# Altium PCB SEC_3002_DZ&HL.PcbDoc (part 7 of 7) (continued)
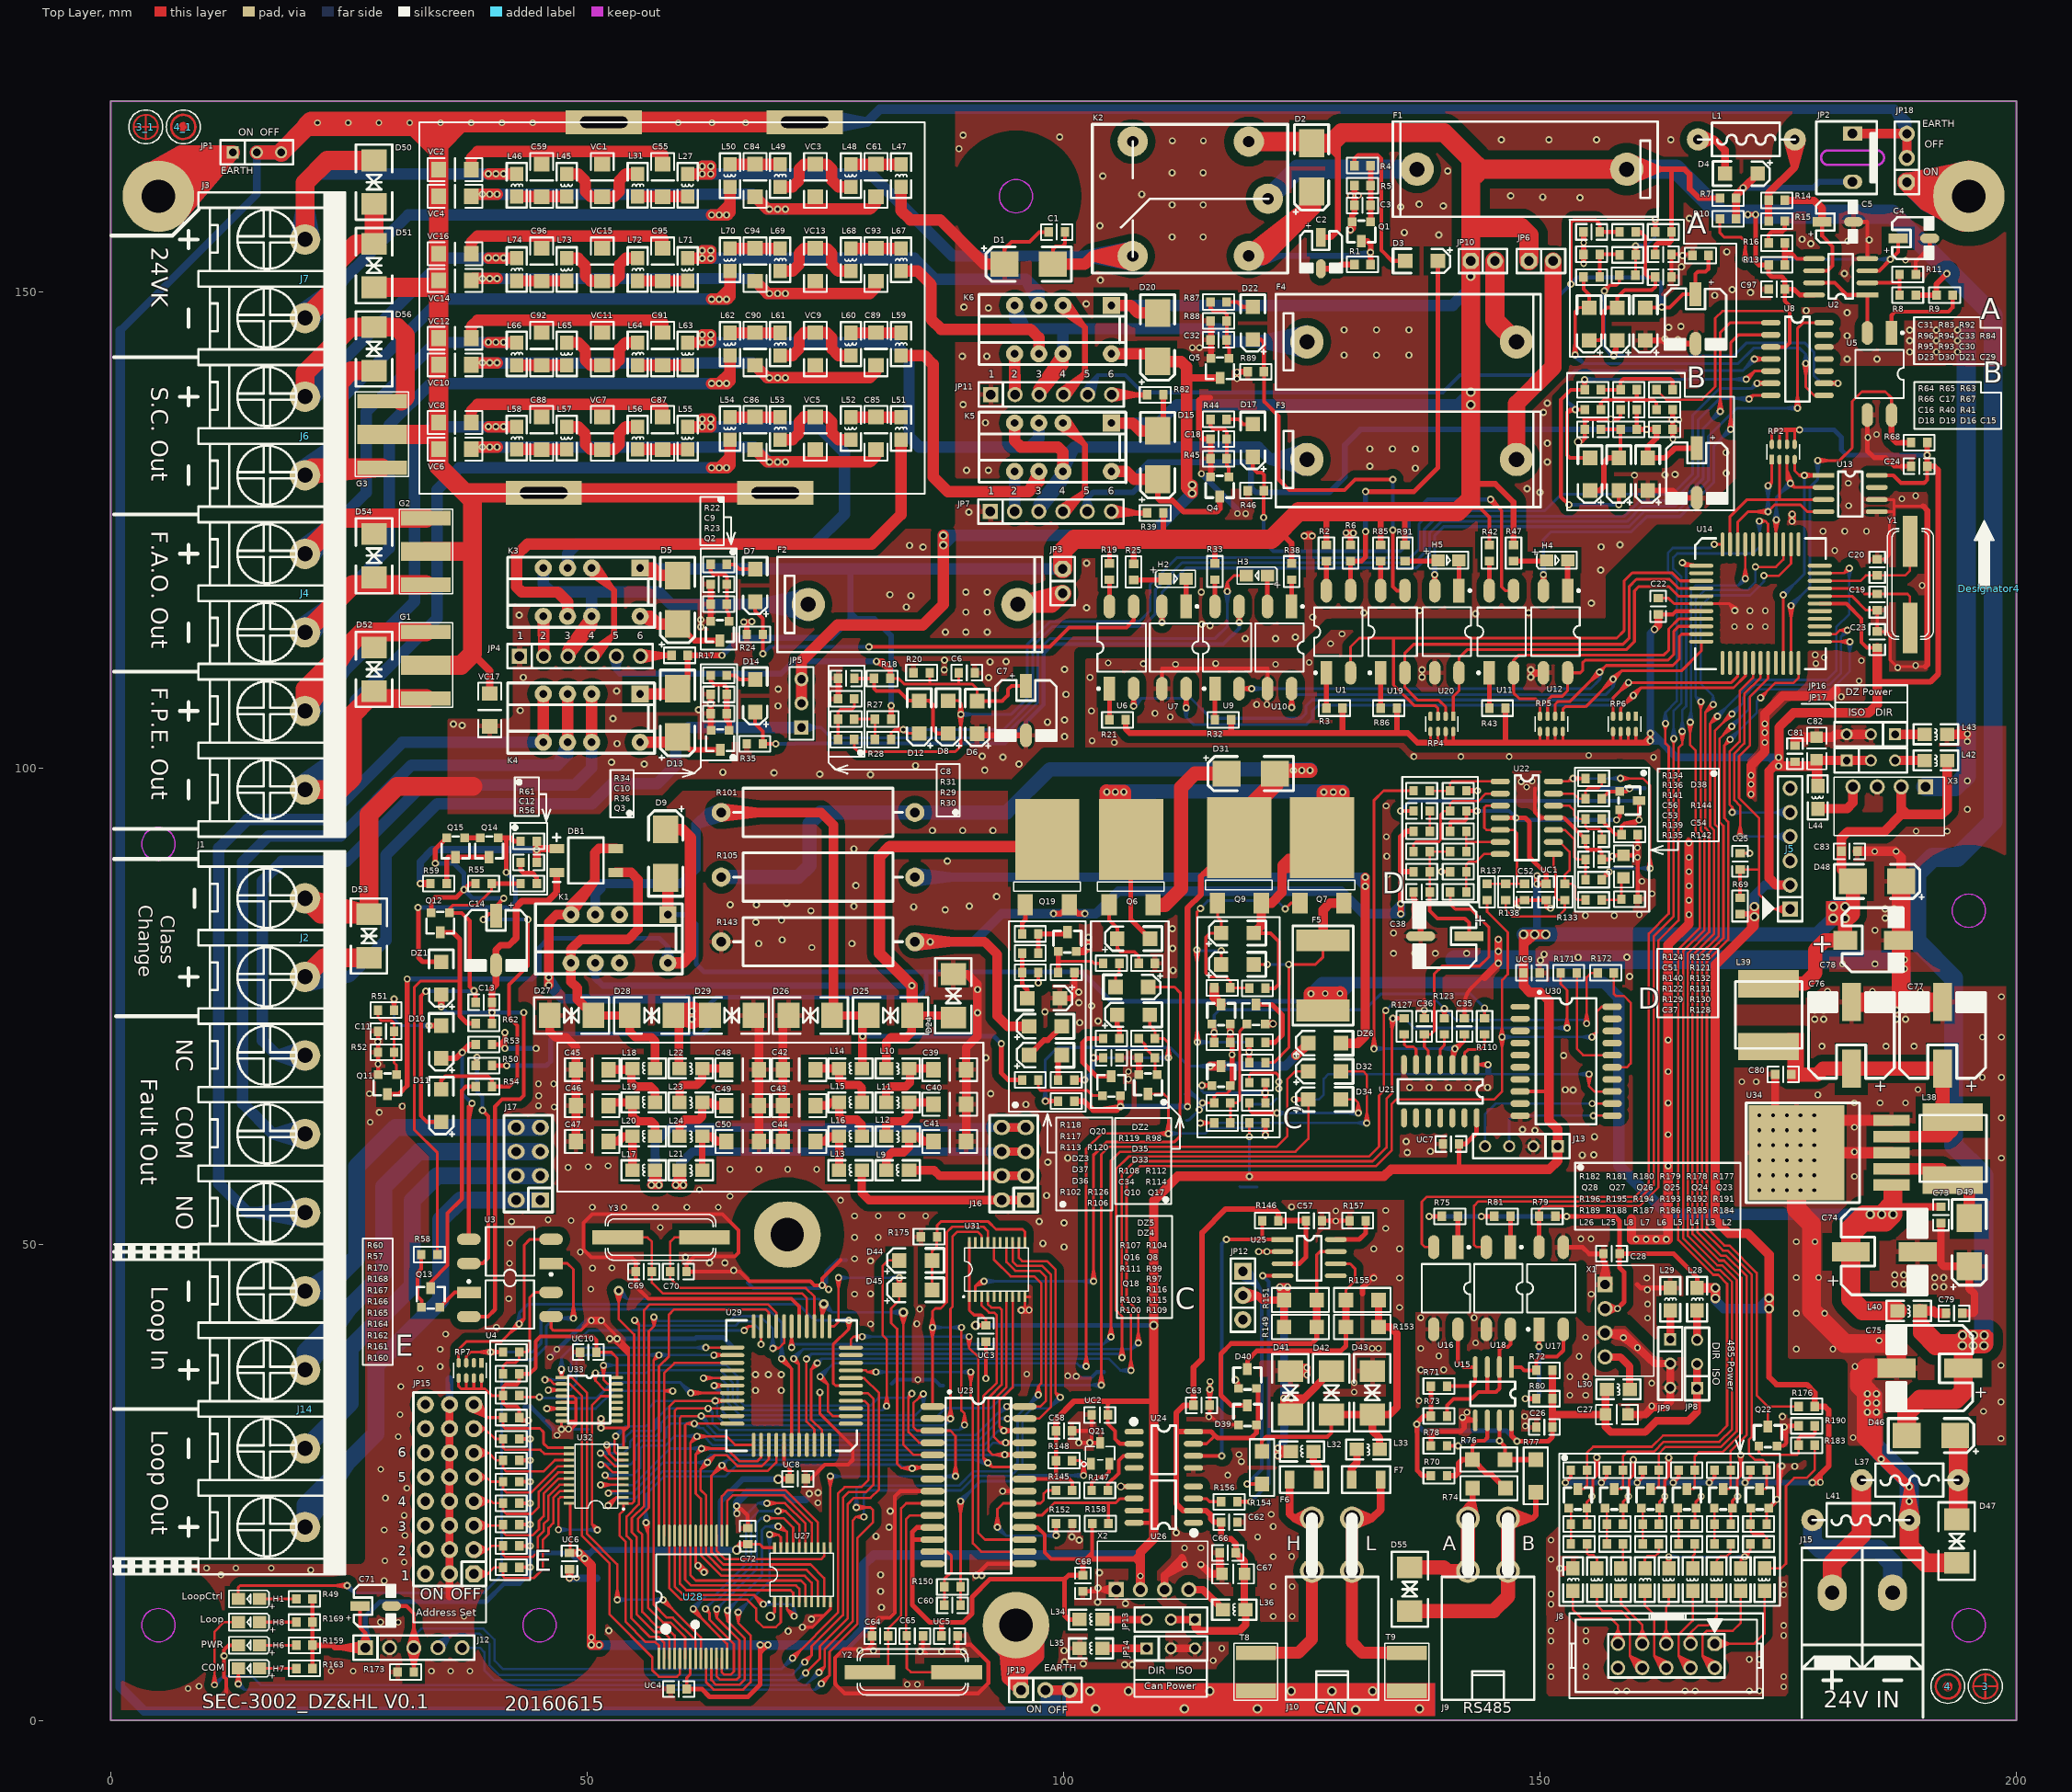
[diagram p0: Top Layer view]
## Polygon pours and split planes (outlines as drawn) (continued)
MCUGND on Bottom Layer "Bottom Layer-MCUGND" (solid, remove dead copper, pour order 22): 192.194,140.241 182.356,140.241 182.342,140.227 182.354,140.215 182.354,136.567 182.354,136.555 181.754,135.955 181.742,135.966 171.739,135.966 171.739,130.339 171.624,130.224 171.436,130.035 171.436,129.559 171.436,129.519 171.435,129.519 166.494,124.577 166.133,124.577 166.01,124.577 165.755,124.322 165.746,124.331 162.718,124.331 158.054,119.667 158.054,115.07 158.054,115.059 157.454,114.458 157.442,114.47 128.068,114.47 128.068,114.466 125.345,111.743 125.316,111.714 124.947,111.714 124.947,111.67 124.728,111.451 124.72,111.459 102.309,111.459 102.309,102.164 102.329,102.144 134.874,102.144 134.874,102.136 136.064,100.946 136.112,100.898 136.472,100.898 160.692,100.898 161.404,100.186 163.317,98.273 163.317,97.566 163.317,85.479 162.818,84.98 160.864,83.025 160.864,81.251 160.864,57.257 160.337,56.73 160.129,56.522 157.842,56.522 137.049,56.522 136.957,56.43 136.964,56.423 136.964,48.2 154.649,48.2 154.898,47.951 154.933,47.917 154.933,42.983 155.322,42.594 155.512,42.404 159.344,42.404 159.658,42.404 162.715,39.347 162.896,39.165 168.62,39.165 169.043,39.165 169.345,38.863 169.214,38.732 169.214,31.313 169.131,31.313 167.777,29.959 167.683,30.053 162.924,30.053 162.674,30.053 161.622,29.001 161.591,29.032 152.812,29.032 152.812,28.909 152.193,28.29 151.918,28.015 151.918,21.081 151.918,20.405 150.663,19.15 150.659,19.147 150.659,2.87 150.957,2.572 155.086,2.572 175.736,2.572 176.123,2.958 176.479,3.315 176.479,23.46 180.312,23.46 180.936,24.084 180.819,24.202 180.819,36.456 175.117,36.456 174.562,37.011 174.543,37.03 174.543,52.448 170.295,52.448 169.09,53.653 169.151,53.714 169.151,77.927 169.151,78.916 172.697,82.462 174.027,83.792 175.537,83.792 177.407,83.792 178.054,84.439 178.414,84.799 178.414,94.218 185.928,94.218 186.395,94.686 186.73,95.02 186.73,99.392 186.73,99.78 185.856,100.653 185.748,100.761 185.748,104.5 185.748,105.291 185.928,105.471 186.036,105.579 192.615,105.579 192.615,139.817 192.196,140.236
24VGND on Bottom Layer "Bottom Layer-24VGND" (solid, remove dead copper, pour order 24): 175.018,78.591 174.994,78.616 174.994,83.281 178.8,83.281 178.824,83.256 179.117,83.549 179.117,93.848 186.298,93.848 187.492,95.042 187.443,95.091 187.443,99.388 187.344,99.388 186.436,100.297 186.485,100.345 186.485,104.324 186.578,104.324 186.632,104.378 186.783,104.529 200.132,104.529 200.132,78.747 199.974,78.589
GND_CAN1 on Bottom Layer "Bottom Layer-GND-CAN1" (solid, remove dead copper, pour order 26): 109.947,-0.212 109.947,11.314 109.947,11.951 109.183,12.715 109.31,12.842 109.31,15.708 109.31,16.004 110.702,17.395 110.966,17.659 110.966,35.64 110.966,35.703 112.813,37.55 113.322,38.059 113.322,52.515 113.322,52.751 115.793,55.222 115.825,55.189 136.12,55.189 136.12,32.328 136.374,32.074 136.183,32.074 136.183,22.267 135.356,21.439 132.936,19.019 132.936,18.637 132.936,10.168 133.254,9.849 132.426,9.022 132.426,-1.422
24VGND on Bottom Layer "Bottom Layer-24VGND" (solid, remove dead copper, pour order 28): 110.076,-0.379 110.076,11.486 109.237,12.325 109.073,12.489 109.073,15.729 109.073,16.238 110.411,17.575 110.538,17.702 110.538,35.531 110.728,35.531 113.04,37.843 113.04,52.47 115.793,55.222 136.307,55.222 136.307,56.981 136.357,57.03 160.324,57.03 160.324,82.915 162.731,85.323 162.731,98.289 160.723,100.298 136.223,100.298 134.957,101.564 98.081,101.564 94.711,98.194 59.756,98.194 58.073,96.51 53.516,96.51 51.568,94.562 34.733,94.562 30.315,90.145 30.315,79.434 26.099,75.218 26.099,17.024 -0.56,17.024 -0.7,16.884 -0.016,16.2 -0.016,0.097
DP485GND on Top Layer "Top Layer-DP485GND" (solid, remove dead copper, pour order 18): 136.725,43.092 136.725,31.75 136.204,31.229 136.095,31.12 136.095,21.256 136.095,20.982 133.328,18.215 133.355,18.187 133.355,10.132 133.355,10.05 133.821,9.584 133.958,9.721 149.712,9.721 149.712,9.937 149.75,9.976 149.838,10.064 149.838,19.242 149.838,19.462 151.736,21.36 151.593,21.503 151.593,28.539 151.943,28.539 152.53,29.126 160.825,29.126 162.281,30.582 166.517,30.582 167.223,30.582 168.68,32.038 168.371,32.347 168.371,38.348 168.371,38.48 168.194,38.657 167.974,38.878 162.37,38.878 162.061,38.878 159.281,41.657 159.104,41.834 155.53,41.834 155.442,41.834 153.942,43.334
24VGND on Top Layer "Top Layer-24VGND" (solid, remove dead copper, pour order 15): 170.53,77.081 170.553,77.059 199.939,77.059 199.939,28.856 199.942,28.852 199.928,28.866 182.32,28.866 182.32,37.101 181.668,37.753 181.464,37.957 176.044,37.957 176.044,53.139 176.044,53.143 175.43,53.757 175.238,53.949 170.393,53.949 170.393,77.062
24VGND on Top Layer "Top Layer-24VGND" (solid, remove dead copper, pour order 17): 88.419,170.019 88.378,125.909 88.378,125.751 42.147,125.383 42.054,105.712 41.568,105.226 35.333,105.167 35.333,95.162 51.319,95.162 53.091,96.935 53.516,97.122 57.824,97.11 59.332,98.618 59.756,98.806 94.462,98.794 97.656,101.988 98.081,102.176 101.108,102.164 101.102,112.06 101.708,112.672 124.56,112.66 127.395,115.495 128.041,115.684 156.853,115.671 156.853,119.916 156.955,120.25 162.045,125.356 162.352,125.52 165.733,125.532 170.539,130.337 170.55,136.684 171.139,137.179 181.153,137.167 181.165,141.736 181.754,142.231 199.945,142.107 200.024,169.878
MCUGND on Top Layer "Top Layer-MCUGND" (solid, remove dead copper, pour order 21): 192.194,140.241 182.356,140.241 182.342,140.227 182.354,140.215 182.354,136.567 182.354,136.555 181.754,135.955 181.742,135.966 171.739,135.966 171.739,130.339 171.624,130.224 171.436,130.035 171.436,129.559 171.436,129.519 171.435,129.519 166.494,124.577 166.133,124.577 166.01,124.577 165.755,124.322 165.746,124.331 162.718,124.331 158.054,119.667 158.054,115.07 158.054,115.059 157.454,114.458 157.442,114.47 128.068,114.47 128.068,114.466 125.345,111.743 125.316,111.714 124.947,111.714 124.947,111.67 124.728,111.451 124.72,111.459 102.309,111.459 102.309,102.164 102.329,102.144 134.874,102.144 134.874,102.136 136.064,100.946 136.112,100.898 136.472,100.898 160.692,100.898 161.404,100.186 163.317,98.273 163.317,97.566 163.317,85.479 162.818,84.98 160.864,83.025 160.864,81.251 160.864,57.257 160.337,56.73 160.129,56.522 157.842,56.522 137.049,56.522 136.957,56.43 136.964,56.423 136.964,48.2 154.649,48.2 154.898,47.951 154.933,47.917 154.933,42.983 155.322,42.594 155.512,42.404 159.344,42.404 159.658,42.404 162.715,39.347 162.896,39.165 168.62,39.165 169.043,39.165 169.345,38.863 169.214,38.732 169.214,31.313 169.131,31.313 167.777,29.959 167.683,30.053 162.924,30.053 162.674,30.053 161.622,29.001 161.591,29.032 152.812,29.032 152.812,28.909 152.193,28.29 151.918,28.015 151.918,21.081 151.918,20.405 150.663,19.15 150.659,19.147 150.659,2.87 150.957,2.572 155.086,2.572 175.736,2.572 176.123,2.958 176.479,3.315 176.479,23.46 180.312,23.46 180.936,24.084 180.819,24.202 180.819,36.456 175.117,36.456 174.562,37.011 174.543,37.03 174.543,52.448 170.295,52.448 169.09,53.653 169.151,53.714 169.151,77.927 169.151,78.916 172.697,82.462 174.027,83.792 175.537,83.792 177.407,83.792 178.054,84.439 178.414,84.799 178.414,94.218 185.928,94.218 186.395,94.686 186.73,95.02 186.73,99.392 186.73,99.78 185.856,100.653 185.748,100.761 185.748,104.5 185.748,105.291 185.928,105.471 186.036,105.579 192.615,105.579 192.615,139.817 192.196,140.236
24VGND on Top Layer "Top Layer-24VGND" (solid, remove dead copper, pour order 23): 175.018,78.591 174.994,78.616 174.994,83.281 178.8,83.281 178.824,83.256 179.117,83.549 179.117,93.848 186.298,93.848 187.492,95.042 187.443,95.091 187.443,99.388 187.344,99.388 186.436,100.297 186.485,100.345 186.485,104.324 186.578,104.324 186.632,104.378 186.783,104.529 200.132,104.529 200.132,78.747 199.974,78.589
GND_CAN1 on Top Layer "Top Layer-GND-CAN1" (solid, remove dead copper, pour order 25): 109.947,-0.212 109.947,11.314 109.947,11.951 109.183,12.715 109.31,12.842 109.31,15.708 109.31,16.004 110.702,17.395 110.966,17.659 110.966,35.64 110.966,35.703 112.813,37.55 113.322,38.059 113.322,52.515 113.322,52.751 115.793,55.222 115.825,55.189 136.12,55.189 136.12,32.328 136.374,32.074 136.183,32.074 136.183,22.267 135.356,21.439 132.936,19.019 132.936,18.637 132.936,10.168 133.254,9.849 132.426,9.022 132.426,-1.422
24VGND on Top Layer "Top Layer-24VGND" (solid, remove dead copper, pour order 27): 110.076,-0.379 110.076,11.486 109.237,12.325 109.073,12.489 109.073,15.729 109.073,16.238 110.411,17.575 110.538,17.702 110.538,35.531 110.728,35.531 113.04,37.843 113.04,52.47 115.793,55.222 136.307,55.222 136.307,56.981 136.357,57.03 160.324,57.03 160.324,82.915 162.731,85.323 162.731,98.289 160.723,100.298 136.223,100.298 134.957,101.564 98.081,101.564 94.711,98.194 59.756,98.194 58.073,96.51 53.516,96.51 51.568,94.562 34.733,94.562 30.315,90.145 30.315,79.434 26.099,75.218 26.099,17.024 -0.56,17.024 -0.7,16.884 -0.016,16.2 -0.016,0.097

## Keep-outs
Keep-Out Layer:
  circle w0.127: c5,92 r1.75
  circle w0.127: c5,10 r1.75
  circle w0.127: c45,10 r1.75
  circle w0.127: c95,160 r1.75
  circle w0.127: c195,10 r1.75
  circle w0.127: c195,85 r1.75
  lines w0.2: 0,0 0,170 200,170 200,0 0,0

## Other copper
Top Layer:
  rectangle net "EATHER GND": 100.231,0.461 138.978,3.903
  rectangle net +24VOUT: 189.155,40.663 190.646,43.156
  rectangle net +5V: 180.017,83.446 182.541,85.996
  rectangle net 24VGND: 190.96,48.182 192.016,50.181
  rectangle net NetC76_1: 175.957,67.04 177.672,72.184
  pour cut-out: 136.371,46.994 cw(c136.371,47.594) 136.371,48.194 154.277,48.194 cw(c154.277,47.594) 154.877,47.594 cw(c154.277,47.594) 154.277,46.994
  pour cut-out: 174.543,37.207 174.543,52.448 169.642,52.448 cw(c169.642,53.198) 168.892,53.198 168.892,77.812 cw(c169.642,77.812) 169.642,78.563 200.819,78.563 cw(c200.819,77.812) 201.57,77.812 cw(c200.819,77.812) 200.819,77.062 170.393,77.062 170.393,53.949 175.294,53.949 cw(c175.294,53.198) 176.044,53.198 176.044,37.957 181.569,37.957 cw(c181.569,37.207) 182.32,37.207 182.32,28.866 200.63,28.866 cw(c200.63,28.266) 201.23,28.266 cw(c200.63,28.266) 200.63,27.666 182.32,27.666 182.32,23.635 cw(c181.569,23.635) 180.819,23.635 180.819,36.456 175.294,36.456 cw(c175.294,37.207)
  pour cut-out: 175.121,77.914 175.121,82.84 178.367,82.84 ccw(c178.367,83.591) 179.117,83.591 179.117,93.848 186.73,93.848 ccw(c186.73,94.599) 187.48,94.599 187.48,99.392 ccw(c186.73,99.392) 187.26,99.923 186.632,100.551 186.632,104.378 200.791,104.378 ccw(c200.791,105.128) 201.542,105.128 ccw(c200.791,105.128) 200.791,105.879 185.882,105.879 ccw(c185.882,105.128) 185.131,105.128 185.131,100.24 ccw(c185.882,100.24) 185.351,99.71 185.979,99.082 185.979,95.349 178.367,95.349 ccw(c178.367,94.599) 177.617,94.599 177.617,84.341 174.371,84.341 ccw(c174.371,83.591) 173.62,83.591 173.62,77.914 ccw(c174.371,77.914)
  pour cut-out: 189,85 ccw(c195,85) 195,79 ccw(c195,85) 201,85 ccw(c195,85) 195,91 ccw(c195,85)
  pour cut-out: 95,154 cw(c95,160) 89,160 cw(c95,160) 95,166 cw(c95,160) 101,160 cw(c95,160)
  pour cut-out: 71,45 cw(c71,51) 65,51 cw(c71,51) 71,57 cw(c71,51) 77,51 cw(c71,51)
  pour cut-out: 5,4 cw(c5,10) -1,10 cw(c5,10) 5,16 cw(c5,10) 11,10 cw(c5,10)
  pour cut-out: 192.189,105.354 ccw(c192.939,105.354) 193.69,105.354 193.69,141.588 ccw(c192.939,141.588) 192.189,141.588
  pour cut-out: 133.113,8.786 cw(c133.113,9.386) 133.113,9.987 149.462,9.987 149.462,19.399 cw(c150.062,19.399) 149.638,19.823 150.992,21.178 150.992,28.539 cw(c151.593,28.539) 151.168,28.964 152.128,29.923 cw(c152.552,29.499) 152.552,30.099 161.378,30.099 162.228,30.949 cw(c162.652,30.524) 162.652,31.125 167.572,31.125 168.156,31.709 168.156,38.146 cw(c168.148,38.746) 168.148,38.146 162.466,38.146 cw(c162.466,38.746) 162.042,38.322 158.97,41.393 155.073,41.393 cw(c155.073,41.993) 154.649,41.569 153.368,42.849 136.354,42.849 cw(c136.354,43.45) 136.354,44.05 153.617,44.05 cw(c153.617,43.45) 153.732,44.039 153.732,47.717 cw(c154.332,47.717) 154.933,47.717 154.933,42.983 155.322,42.594 159.219,42.594 cw(c159.219,41.993) 159.643,42.418 162.715,39.347 168.756,39.347 cw(c168.756,38.746) 169.357,38.746 169.357,31.46 cw(c168.756,31.46) 169.181,31.036 168.245,30.1 cw(c167.82,30.524) 167.82,29.924 162.901,29.924 162.051,29.074 cw(c161.627,29.499) 161.627,28.898 152.801,28.898 152.193,28.29 152.193,20.929 cw(c151.593,20.929) 152.017,20.505 150.663,19.15 150.663,-1.537 cw(c150.062,-1.537) 149.462,-1.537 149.462,8.786
  pour cut-out: 132.513,9.752 ccw(c133.113,9.752) 133.714,9.752 133.714,18.317 136.169,20.773 ccw(c135.745,21.197) 136.345,21.197 136.345,31.107 136.781,31.544 ccw(c136.357,31.968) 136.957,31.968 136.957,56.43 160.324,56.43 ccw(c160.324,57.03) 160.924,57.03 160.924,82.666 163.156,84.898 ccw(c162.731,85.323) 163.332,85.323 163.332,98.289 ccw(c162.731,98.289) 163.156,98.713 161.147,100.722 ccw(c160.723,100.298) 160.723,100.898 136.472,100.898 135.381,101.988 ccw(c134.957,101.564) 134.957,102.164 102.309,102.164 102.309,111.459 124.809,111.459 ccw(c124.809,112.06) 125.233,111.635 128.068,114.47 157.454,114.47 ccw(c157.454,115.07) 158.054,115.07 158.054,119.667 162.718,124.331 165.982,124.331 ccw(c165.982,124.931) 166.407,124.507 171.563,129.664 ccw(c171.139,130.088) 171.739,130.088 171.739,135.966 181.754,135.966 ccw(c181.754,136.567) 182.354,136.567 182.354,141.019 194.374,141.019 ccw(c194.374,141.619) 194.974,141.619 ccw(c194.374,141.619) 194.374,142.22 181.754,142.22 ccw(c181.754,141.619) 181.153,141.619 181.153,137.167 171.139,137.167 ccw(c171.139,136.567) 170.539,136.567 170.539,130.337 165.733,125.532 162.469,125.532 ccw(c162.469,124.931) 162.045,125.356 157.029,120.34 ccw(c157.454,119.916) 156.853,119.916 156.853,115.671 127.819,115.671 ccw(c127.819,115.07) 127.395,115.495 124.56,112.66 101.708,112.66 ccw(c101.708,112.06) 101.108,112.06 101.108,101.564 ccw(c101.708,101.564) 101.708,100.963 134.708,100.963 135.798,99.873 ccw(c136.223,100.298) 136.223,99.697 160.474,99.697 162.131,98.04 162.131,85.571 159.899,83.34 ccw(c160.324,82.915) 159.724,82.915 159.724,57.631 136.357,57.631 ccw(c136.357,57.03) 135.756,57.03 135.756,32.217 135.32,31.781 ccw(c135.745,31.356) 135.144,31.356 135.144,21.446 132.689,18.99 ccw(c133.113,18.566) 132.513,18.566
  pour cut-out: 176.047,23.635 cw(c176.647,23.635) 176.647,24.236 180.819,24.236 180.819,36.456 175.294,36.456 cw(c175.294,37.207) 174.543,37.207 174.543,53.198 cw(c175.294,53.198) 176.044,53.198 176.044,37.957 181.569,37.957 cw(c181.569,37.207) 182.32,37.207 182.32,23.635 cw(c181.569,23.635) 181.119,23.035 177.247,23.035 177.247,0.597 cw(c176.647,0.597) 176.047,0.597
  pour cut-out: 45,4 cw(c45,10) 39,10 cw(c45,10) 45,16 cw(c45,10) 51,10 cw(c45,10)
  pour cut-out: -3.601,16.424 cw(c-3.601,17.024) -3.601,17.624 25.499,17.624 25.499,75.218 cw(c26.099,75.218) 25.675,75.642 29.715,79.683 29.715,90.145 cw(c30.315,90.145) 29.891,90.569 34.308,94.986 cw(c34.733,94.562) 34.733,95.162 51.319,95.162 53.091,96.935 cw(c53.516,96.51) 53.516,97.11 57.824,97.11 59.332,98.618 cw(c59.756,98.194) 59.756,98.794 94.462,98.794 97.656,101.988 cw(c98.081,101.564) 98.081,102.164 101.708,102.164 cw(c101.708,101.564) 102.309,101.564 cw(c101.708,101.564) 101.708,100.963 98.329,100.963 95.135,97.769 cw(c94.711,98.194) 94.711,97.593 60.005,97.593 58.497,96.085 cw(c58.073,96.51) 58.073,95.91 53.765,95.91 51.992,94.137 cw(c51.568,94.562) 51.568,93.961 34.981,93.961 30.916,89.896 30.916,79.434 cw(c30.315,79.434) 30.74,79.009 26.7,74.969 26.7,17.024 cw(c26.099,17.024) 26.099,16.424
  pour cut-out: 108.813,11.901 109.476,11.238 109.476,-0.379 ccw(c110.076,-0.379) 110.677,-0.379 110.677,11.486 ccw(c110.076,11.486) 110.501,11.911 109.838,12.574 109.838,15.682 111.126,16.97 ccw(c110.702,17.395) 111.302,17.395 111.302,35.256 113.465,37.419 ccw(c113.04,37.843) 113.641,37.843 113.641,52.221 116.041,54.621 136.307,54.621 ccw(c136.307,55.222) 136.908,55.222 ccw(c136.307,55.222) 136.307,55.822 115.793,55.822 ccw(c115.793,55.222) 115.368,55.646 112.616,52.894 ccw(c113.04,52.47) 112.44,52.47 112.44,38.092 110.277,35.929 ccw(c110.702,35.505) 110.101,35.505 110.101,17.644 108.813,16.355 ccw(c109.237,15.931) 108.637,15.931 108.637,12.325 ccw(c109.237,12.325)
  pour cut-out: 116.051,-1.752 116.051,5.47 cw(c116.651,5.47) 116.227,5.894 120.509,10.176 cw(c120.933,9.752) 120.933,10.352 133.113,10.352 cw(c133.113,9.752) 133.714,9.752 cw(c133.113,9.752) 133.113,9.151 121.182,9.151 117.251,5.221 117.251,-1.752 cw(c116.651,-1.752)
  pour cut-out: 34.132,94.562 ccw(c34.733,94.562) 35.333,94.562 35.333,105.167 41.627,105.167 ccw(c41.627,105.768) 42.228,105.768 42.228,125.112 88.025,125.112 ccw(c88.025,125.712) 88.625,125.712 88.625,174.7 ccw(c88.025,174.7) 87.424,174.7 87.424,126.313 41.627,126.313 ccw(c41.627,125.712) 41.027,125.712 41.027,106.368 34.733,106.368 ccw(c34.733,105.768) 34.132,105.768
Bottom Layer:
  rectangle net "EATHER GND": 99.865,0.516 139.052,3.91
  rectangle net 24VGND: 186.901,76.357 188.961,79.17
  pour cut-out: 136.371,46.994 cw(c136.371,47.594) 136.371,48.194 154.277,48.194 cw(c154.277,47.594) 154.877,47.594 cw(c154.277,47.594) 154.277,46.994
  pour cut-out: 174.543,37.207 174.543,52.448 169.642,52.448 cw(c169.642,53.198) 168.892,53.198 168.892,77.812 cw(c169.642,77.812) 169.642,78.563 200.819,78.563 cw(c200.819,77.812) 201.57,77.812 cw(c200.819,77.812) 200.819,77.062 170.393,77.062 170.393,53.949 175.294,53.949 cw(c175.294,53.198) 176.044,53.198 176.044,37.957 181.569,37.957 cw(c181.569,37.207) 182.32,37.207 182.32,28.866 200.63,28.866 cw(c200.63,28.266) 201.23,28.266 cw(c200.63,28.266) 200.63,27.666 182.32,27.666 182.32,23.635 cw(c181.569,23.635) 180.819,23.635 180.819,36.456 175.294,36.456 cw(c175.294,37.207)
  pour cut-out: 175.121,77.914 175.121,82.84 178.367,82.84 ccw(c178.367,83.591) 179.117,83.591 179.117,93.848 186.73,93.848 ccw(c186.73,94.599) 187.48,94.599 187.48,99.392 ccw(c186.73,99.392) 187.26,99.923 186.632,100.551 186.632,104.378 200.791,104.378 ccw(c200.791,105.128) 201.542,105.128 ccw(c200.791,105.128) 200.791,105.879 185.882,105.879 ccw(c185.882,105.128) 185.131,105.128 185.131,100.24 ccw(c185.882,100.24) 185.351,99.71 185.979,99.082 185.979,95.349 178.367,95.349 ccw(c178.367,94.599) 177.617,94.599 177.617,84.341 174.371,84.341 ccw(c174.371,83.591) 173.62,83.591 173.62,77.914 ccw(c174.371,77.914)
  pour cut-out: 189,85 ccw(c195,85) 195,79 ccw(c195,85) 201,85 ccw(c195,85) 195,91 ccw(c195,85)
  pour cut-out: 95,154 cw(c95,160) 89,160 cw(c95,160) 95,166 cw(c95,160) 101,160 cw(c95,160)
  pour cut-out: 71,45 cw(c71,51) 65,51 cw(c71,51) 71,57 cw(c71,51) 77,51 cw(c71,51)
  pour cut-out: 5,4 cw(c5,10) -1,10 cw(c5,10) 5,16 cw(c5,10) 11,10 cw(c5,10)
  pour cut-out: 192.189,105.354 ccw(c192.939,105.354) 193.69,105.354 193.69,141.588 ccw(c192.939,141.588) 192.189,141.588
  pour cut-out: 133.113,8.786 cw(c133.113,9.386) 133.113,9.987 149.462,9.987 149.462,19.399 cw(c150.062,19.399) 149.638,19.823 150.992,21.178 150.992,28.539 cw(c151.593,28.539) 151.168,28.964 152.128,29.923 cw(c152.552,29.499) 152.552,30.099 161.378,30.099 162.228,30.949 cw(c162.652,30.524) 162.652,31.125 167.572,31.125 168.156,31.709 168.156,38.146 cw(c168.148,38.746) 168.148,38.146 162.466,38.146 cw(c162.466,38.746) 162.042,38.322 158.97,41.393 155.073,41.393 cw(c155.073,41.993) 154.649,41.569 153.368,42.849 136.354,42.849 cw(c136.354,43.45) 136.354,44.05 153.617,44.05 cw(c153.617,43.45) 153.732,44.039 153.732,47.717 cw(c154.332,47.717) 154.933,47.717 154.933,42.983 155.322,42.594 159.219,42.594 cw(c159.219,41.993) 159.643,42.418 162.715,39.347 168.756,39.347 cw(c168.756,38.746) 169.357,38.746 169.357,31.46 cw(c168.756,31.46) 169.181,31.036 168.245,30.1 cw(c167.82,30.524) 167.82,29.924 162.901,29.924 162.051,29.074 cw(c161.627,29.499) 161.627,28.898 152.801,28.898 152.193,28.29 152.193,20.929 cw(c151.593,20.929) 152.017,20.505 150.663,19.15 150.663,-1.537 cw(c150.062,-1.537) 149.462,-1.537 149.462,8.786
  pour cut-out: 132.513,9.752 ccw(c133.113,9.752) 133.714,9.752 133.714,18.317 136.169,20.773 ccw(c135.745,21.197) 136.345,21.197 136.345,31.107 136.781,31.544 ccw(c136.357,31.968) 136.957,31.968 136.957,56.43 160.324,56.43 ccw(c160.324,57.03) 160.924,57.03 160.924,82.666 163.156,84.898 ccw(c162.731,85.323) 163.332,85.323 163.332,98.289 ccw(c162.731,98.289) 163.156,98.713 161.147,100.722 ccw(c160.723,100.298) 160.723,100.898 136.472,100.898 135.381,101.988 ccw(c134.957,101.564) 134.957,102.164 102.309,102.164 102.309,111.459 124.809,111.459 ccw(c124.809,112.06) 125.233,111.635 128.068,114.47 157.454,114.47 ccw(c157.454,115.07) 158.054,115.07 158.054,119.667 162.718,124.331 165.982,124.331 ccw(c165.982,124.931) 166.407,124.507 171.563,129.664 ccw(c171.139,130.088) 171.739,130.088 171.739,135.966 181.754,135.966 ccw(c181.754,136.567) 182.354,136.567 182.354,141.019 194.374,141.019 ccw(c194.374,141.619) 194.974,141.619 ccw(c194.374,141.619) 194.374,142.22 181.754,142.22 ccw(c181.754,141.619) 181.153,141.619 181.153,137.167 171.139,137.167 ccw(c171.139,136.567) 170.539,136.567 170.539,130.337 165.733,125.532 162.469,125.532 ccw(c162.469,124.931) 162.045,125.356 157.029,120.34 ccw(c157.454,119.916) 156.853,119.916 156.853,115.671 127.819,115.671 ccw(c127.819,115.07) 127.395,115.495 124.56,112.66 101.708,112.66 ccw(c101.708,112.06) 101.108,112.06 101.108,101.564 ccw(c101.708,101.564) 101.708,100.963 134.708,100.963 135.798,99.873 ccw(c136.223,100.298) 136.223,99.697 160.474,99.697 162.131,98.04 162.131,85.571 159.899,83.34 ccw(c160.324,82.915) 159.724,82.915 159.724,57.631 136.357,57.631 ccw(c136.357,57.03) 135.756,57.03 135.756,32.217 135.32,31.781 ccw(c135.745,31.356) 135.144,31.356 135.144,21.446 132.689,18.99 ccw(c133.113,18.566) 132.513,18.566
  pour cut-out: 176.047,23.635 cw(c176.647,23.635) 176.647,24.236 180.819,24.236 180.819,36.456 175.294,36.456 cw(c175.294,37.207) 174.543,37.207 174.543,53.198 cw(c175.294,53.198) 176.044,53.198 176.044,37.957 181.569,37.957 cw(c181.569,37.207) 182.32,37.207 182.32,23.635 cw(c181.569,23.635) 181.119,23.035 177.247,23.035 177.247,0.597 cw(c176.647,0.597) 176.047,0.597
  pour cut-out: 45,4 cw(c45,10) 39,10 cw(c45,10) 45,16 cw(c45,10) 51,10 cw(c45,10)
  pour cut-out: -3.601,16.424 cw(c-3.601,17.024) -3.601,17.624 25.499,17.624 25.499,75.218 cw(c26.099,75.218) 25.675,75.642 29.715,79.683 29.715,90.145 cw(c30.315,90.145) 29.891,90.569 34.308,94.986 cw(c34.733,94.562) 34.733,95.162 51.319,95.162 53.091,96.935 cw(c53.516,96.51) 53.516,97.11 57.824,97.11 59.332,98.618 cw(c59.756,98.194) 59.756,98.794 94.462,98.794 97.656,101.988 cw(c98.081,101.564) 98.081,102.164 101.708,102.164 cw(c101.708,101.564) 102.309,101.564 cw(c101.708,101.564) 101.708,100.963 98.329,100.963 95.135,97.769 cw(c94.711,98.194) 94.711,97.593 60.005,97.593 58.497,96.085 cw(c58.073,96.51) 58.073,95.91 53.765,95.91 51.992,94.137 cw(c51.568,94.562) 51.568,93.961 34.981,93.961 30.916,89.896 30.916,79.434 cw(c30.315,79.434) 30.74,79.009 26.7,74.969 26.7,17.024 cw(c26.099,17.024) 26.099,16.424
  pour cut-out: 108.813,11.901 109.476,11.238 109.476,-0.379 ccw(c110.076,-0.379) 110.677,-0.379 110.677,11.486 ccw(c110.076,11.486) 110.501,11.911 109.838,12.574 109.838,15.682 111.126,16.97 ccw(c110.702,17.395) 111.302,17.395 111.302,35.256 113.465,37.419 ccw(c113.04,37.843) 113.641,37.843 113.641,52.221 116.041,54.621 136.307,54.621 ccw(c136.307,55.222) 136.908,55.222 ccw(c136.307,55.222) 136.307,55.822 115.793,55.822 ccw(c115.793,55.222) 115.368,55.646 112.616,52.894 ccw(c113.04,52.47) 112.44,52.47 112.44,38.092 110.277,35.929 ccw(c110.702,35.505) 110.101,35.505 110.101,17.644 108.813,16.355 ccw(c109.237,15.931) 108.637,15.931 108.637,12.325 ccw(c109.237,12.325)
  pour cut-out: 34.132,94.562 ccw(c34.733,94.562) 35.333,94.562 35.333,105.167 41.627,105.167 ccw(c41.627,105.768) 42.228,105.768 42.228,125.112 88.025,125.112 ccw(c88.025,125.712) 88.625,125.712 88.625,174.7 ccw(c88.025,174.7) 87.424,174.7 87.424,126.313 41.627,126.313 ccw(c41.627,125.712) 41.027,125.712 41.027,106.368 34.733,106.368 ccw(c34.733,105.768) 34.132,105.768

## Silkscreen, mask and mechanical layers (free items; w line width, h text height)
Top Overlay:
  drawing of 236 lines, arcs and shapes, not listed
  text "EARTH" at 190.105,166.979 h1.27
  text "ON" at 13.391,166.318 h0.76
  text "OFF" at 15.641,166.318 h0.76
  text "OFF" at 190.347,165.079 h0.76
  text "ON" at 190.242,162.184 h0.76
  text "EARTH" at 11.541,162.062 h1.27
  text "A" at 165.437,155.27 h3.81
  text "24VK" at 3.712,154.655 h3 r270
  text "A" at 196.239,146.292 h3.81
  text "S.C. Out" at 3.685,140 h3 r270
  text "B" at 196.51,139.661 h3.81
  text "B" at 165.343,139.132 h3.81
  text "F.A.O. Out" at 3.685,124.88 h3 r270
  text "F.P.E. Out" at 3.685,108.5 h3 r270
  text "DZ Power" at 182.06,107.301 h1.27
  text "ISO" at 182.365,105.456 h0.76
  text "DIR" at 185.188,105.416 h0.76
  text "D" at 133.415,86.042 h3.81
  text "Change" at 2.459,85.609 h2.5 r270
  text "Class" at 4.758,84.539 h2.5 r270
  text "D" at 160.247,73.947 h3.81
  text "NC" at 6.292,71.577 h3 r270
  text "Fault Out" at 2.582,67.385 h3 r270
  text "COM" at 6.292,64.529 h3 r270
  text "C" at 122.975,61.382 h3.81
  text "NO" at 6.292,55.166 h3 r270
  text "Loop In" at 3.718,45.6 h3 r270
  text "C" at 111.697,42.401 h3.81
  text "485 Power" at 169.415,39.955 h1.27 r270
  text "DIR" at 168.111,39.712 h0.76 r270
  text "E" at 29.842,37.473 h3.81
  text "ISO" at 168.135,36.975 h0.76 r270
  text "Loop Out" at 3.718,30.5 h3 r270
  text "6" at 30.161,27.631 h1.02
  text "5" at 30.161,25.052 h1.02
  text "4" at 30.161,22.472 h1.02
  text "3" at 30.161,19.892 h1.02
  text "H" at 123.4,17.84 h1.5
  text "L" at 131.688,17.84 h1.5
  text "A" at 139.777,17.84 h1.5
  text "B" at 148.065,17.84 h1.5
  text "2" at 30.161,17.312 h1.02
  text "E" at 44.367,14.912 h3.81
  text "1" at 30.5,14.733 h1.02
  text "LoopCtrl" at 7.466,12.389 h1.27
  text "ON" at 32.461,12.24 h2.03
  text "OFF" at 35.699,12.24 h2.03
  text "Address Set" at 32.022,10.657 h1.35
  text "Loop" at 9.387,9.971 h1.27
  text "PWR" at 9.474,7.328 h1.27
  text "COM" at 9.518,4.925 h1.27
  text "DIR" at 108.858,4.886 h0.76
  text "ISO" at 111.732,4.886 h0.76
  text "EARTH" at 97.953,4.87 h1.27
  text "Can Power" at 108.455,2.97 h1.27
  text "SEC-3002_DZ&HL V0.1" at 9.582,1.251 h1.5
  text "20160615" at 41.326,1.001 h1.5
  text "ON" at 96.124,0.789 h0.76
  text "OFF" at 98.393,0.736 h0.76
  text "24V IN" at 179.741,0.742 h3
  text "CAN" at 126.386,0.359 h2
  text "RS485" at 141.922,0.361 h2
Mechanical 1:
  circle w0.254: c5,160 r3.564
  circle w0.254: c5,10 r3.564
  circle w0.254: c5,92 r3.564
  circle w0.254: c45,10 r3.564
  circle w0.254: c95,10 r3.564
  circle w0.254: c5,10 r6
  circle w0.254: c45,10 r6
Mechanical 3:
  circle w0.125: c96.032,54.63 r0.699
  circle w0.125: c45.019,59.333 r0.593
  lines w0.2: 37.839,133.459 37.839,142.306 ; 40,40 100,40 100,70 40,70 40,40
  lines w1.2: -3.601,17.024 26.099,17.024 26.099,75.218 30.315,79.434 30.315,90.145 34.733,94.562 ; 88.025,174.7 88.025,125.712 41.627,125.712 41.627,105.768 34.733,105.768 34.733,94.562 ; 110.076,-0.379 110.076,11.486 109.237,12.325 109.237,15.931 110.702,17.395 110.702,35.505 113.04,37.843 113.04,52.47 115.793,55.222 136.307,55.222 ; 116.651,-1.752 116.651,5.47 120.933,9.752 133.113,9.752 133.113,18.566 135.745,21.197 135.745,31.356 136.357,31.968 136.357,57.03 160.324,57.03 160.324,82.915 162.731,85.323 162.731,98.289 160.723,100.298 136.223,100.298 134.957,101.564 101.708,101.564 ; 133.113,9.386 140.09,9.386 149.915,9.386 ; 136.354,43.45 153.617,43.45 155.073,41.993 159.219,41.993 162.466,38.746 168.148,38.746 168.756,38.746 168.756,31.46 167.82,30.524 162.652,30.524 161.627,29.499 152.552,29.499 151.593,28.539 151.593,20.929 150.062,19.399 150.062,-1.537 ; 136.371,47.594 154.277,47.594 ; 154.332,42.797 154.332,47.717 ; 176.647,0.597 176.647,23.635 181.569,23.635 ; 181.457,28.266 200.63,28.266 ; 194.374,141.619 181.754,141.619 181.754,136.567 171.139,136.567 171.139,130.088 165.982,124.931 162.469,124.931 157.454,119.916 157.454,115.07 127.819,115.07 124.809,112.06 101.708,112.06 101.708,101.564 ; 34.733,94.562 51.568,94.562 53.516,96.51 58.073,96.51 59.756,98.194 94.711,98.194 98.081,101.564 101.708,101.564
  lines w1.5: 174.371,77.914 174.371,83.591 178.367,83.591 178.367,94.599 186.73,94.599 186.73,99.392 185.882,100.24 185.882,105.128 200.791,105.128 ; 181.569,23.635 181.569,37.207 175.294,37.207 175.294,53.198 169.642,53.198 169.642,77.812 200.819,77.812 ; 192.939,105.354 192.939,141.588
Mechanical 4:
  circle w0.127: c195,10 r3.75
  circle w0.127: c195,85 r6
  circle w0.127: c5,160 r1.75
  circle w0.127: c195,160 r1.75
  circle w0.127: c5,92 r1.75
  circle w0.127: c95,10 r1.75
  circle w0.127: c71,51 r1.75
  circle w0.127: c71,51 r6
  circle w0.127: c95,160 r6
  circle w0.127: c195,160 r3.75
  circle w0.127: c195,85 r3.75
  circle w0.127: c195,85 r1.75
  circle w0.127: c195,10 r1.75
  circle w0.127: c95,160 r1.75
  circle w0.127: c95,160 r3.75
  circle w0.127: c71,51 r3.8
  circle w0.127: c45,10 r1.75
  circle w0.127: c5,10 r1.75
  lines w0.127: 40,40 40,0 100,0 100,40 ; 40,40 100,40 ; 40,40 40,70 100,70 100,40 ; 0,0 200,0 200,170 0,170 0,0

## Text inside footprints (layer, text, board x,y; h text height)
C2: Top Overlay "+" at 125.356,156.585 h0.64
C4: Top Overlay "+" at 186.698,153.927 h0.64 r90
C5: Top Overlay "+" at 178.711,155.662 h0.64 r90
C7: Top Overlay "+" at 94.284,109.355 h0.64
C14: Top Overlay "+" at 41.679,85.271 h0.64
C15: Top Overlay "+" at 167.761,134.354 h0.64
C29: Top Overlay "+" at 167.631,150.645 h0.64
C38: Top Overlay "+" at 144.452,84.482 h1.27 r180
C71: Top Overlay "+" at 25.255,10.363 h0.64 r90
C74: Top Overlay "+" at 180.231,46.853 h1.27 r270
C75: Top Overlay "+" at 196.807,33.69 h1.27 r90
C76: Top Overlay "+" at 185.01,66.015 h1.27
C77: Top Overlay "+" at 194.574,66.015 h1.27
C78: Top Overlay "+" at 178.736,82.603 h2 r270
H1: Top Overlay "+" at 17.256,11.558 h0.65 r90
H2: Top Overlay "+" at 109.086,121.214 h0.8 r270
H3: Top Overlay "+" at 122.815,118.721 h0.8 r90
H4: Top Overlay "+" at 149.141,123.084 h0.8 r270
H5: Top Overlay "+" at 137.777,123.215 h0.8 r270
H6: Top Overlay "+" at 17.274,6.707 h0.65 r90
H7: Top Overlay "+" at 17.256,4.288 h0.65 r90
H8: Top Overlay "+" at 17.293,9.127 h0.65 r90
JP4: Top Overlay "1" at 42.644,113.495 h0.76; Top Overlay "3" at 47.597,113.495 h0.76; Top Overlay "4" at 50.137,113.495 h0.76; Top Overlay "5" at 52.677,113.495 h0.76; Top Overlay "6" at 55.217,113.495 h0.76; Top Overlay "2" at 45.057,113.495 h0.76
JP7: Top Overlay "1" at 92.064,128.679 h0.76; Top Overlay "3" at 97.017,128.679 h0.76; Top Overlay "4" at 99.557,128.679 h0.76; Top Overlay "5" at 102.097,128.679 h0.76; Top Overlay "6" at 104.637,128.679 h0.76; Top Overlay "2" at 94.477,128.679 h0.76
JP11: Top Overlay "1" at 92.102,140.967 h0.76; Top Overlay "3" at 97.055,140.967 h0.76; Top Overlay "4" at 99.595,140.967 h0.76; Top Overlay "5" at 102.135,140.967 h0.76; Top Overlay "6" at 104.675,140.967 h0.76; Top Overlay "2" at 94.515,140.967 h0.76